# Altium PCB controller_V1.1.PcbDoc (part 5 of 7) (continued)
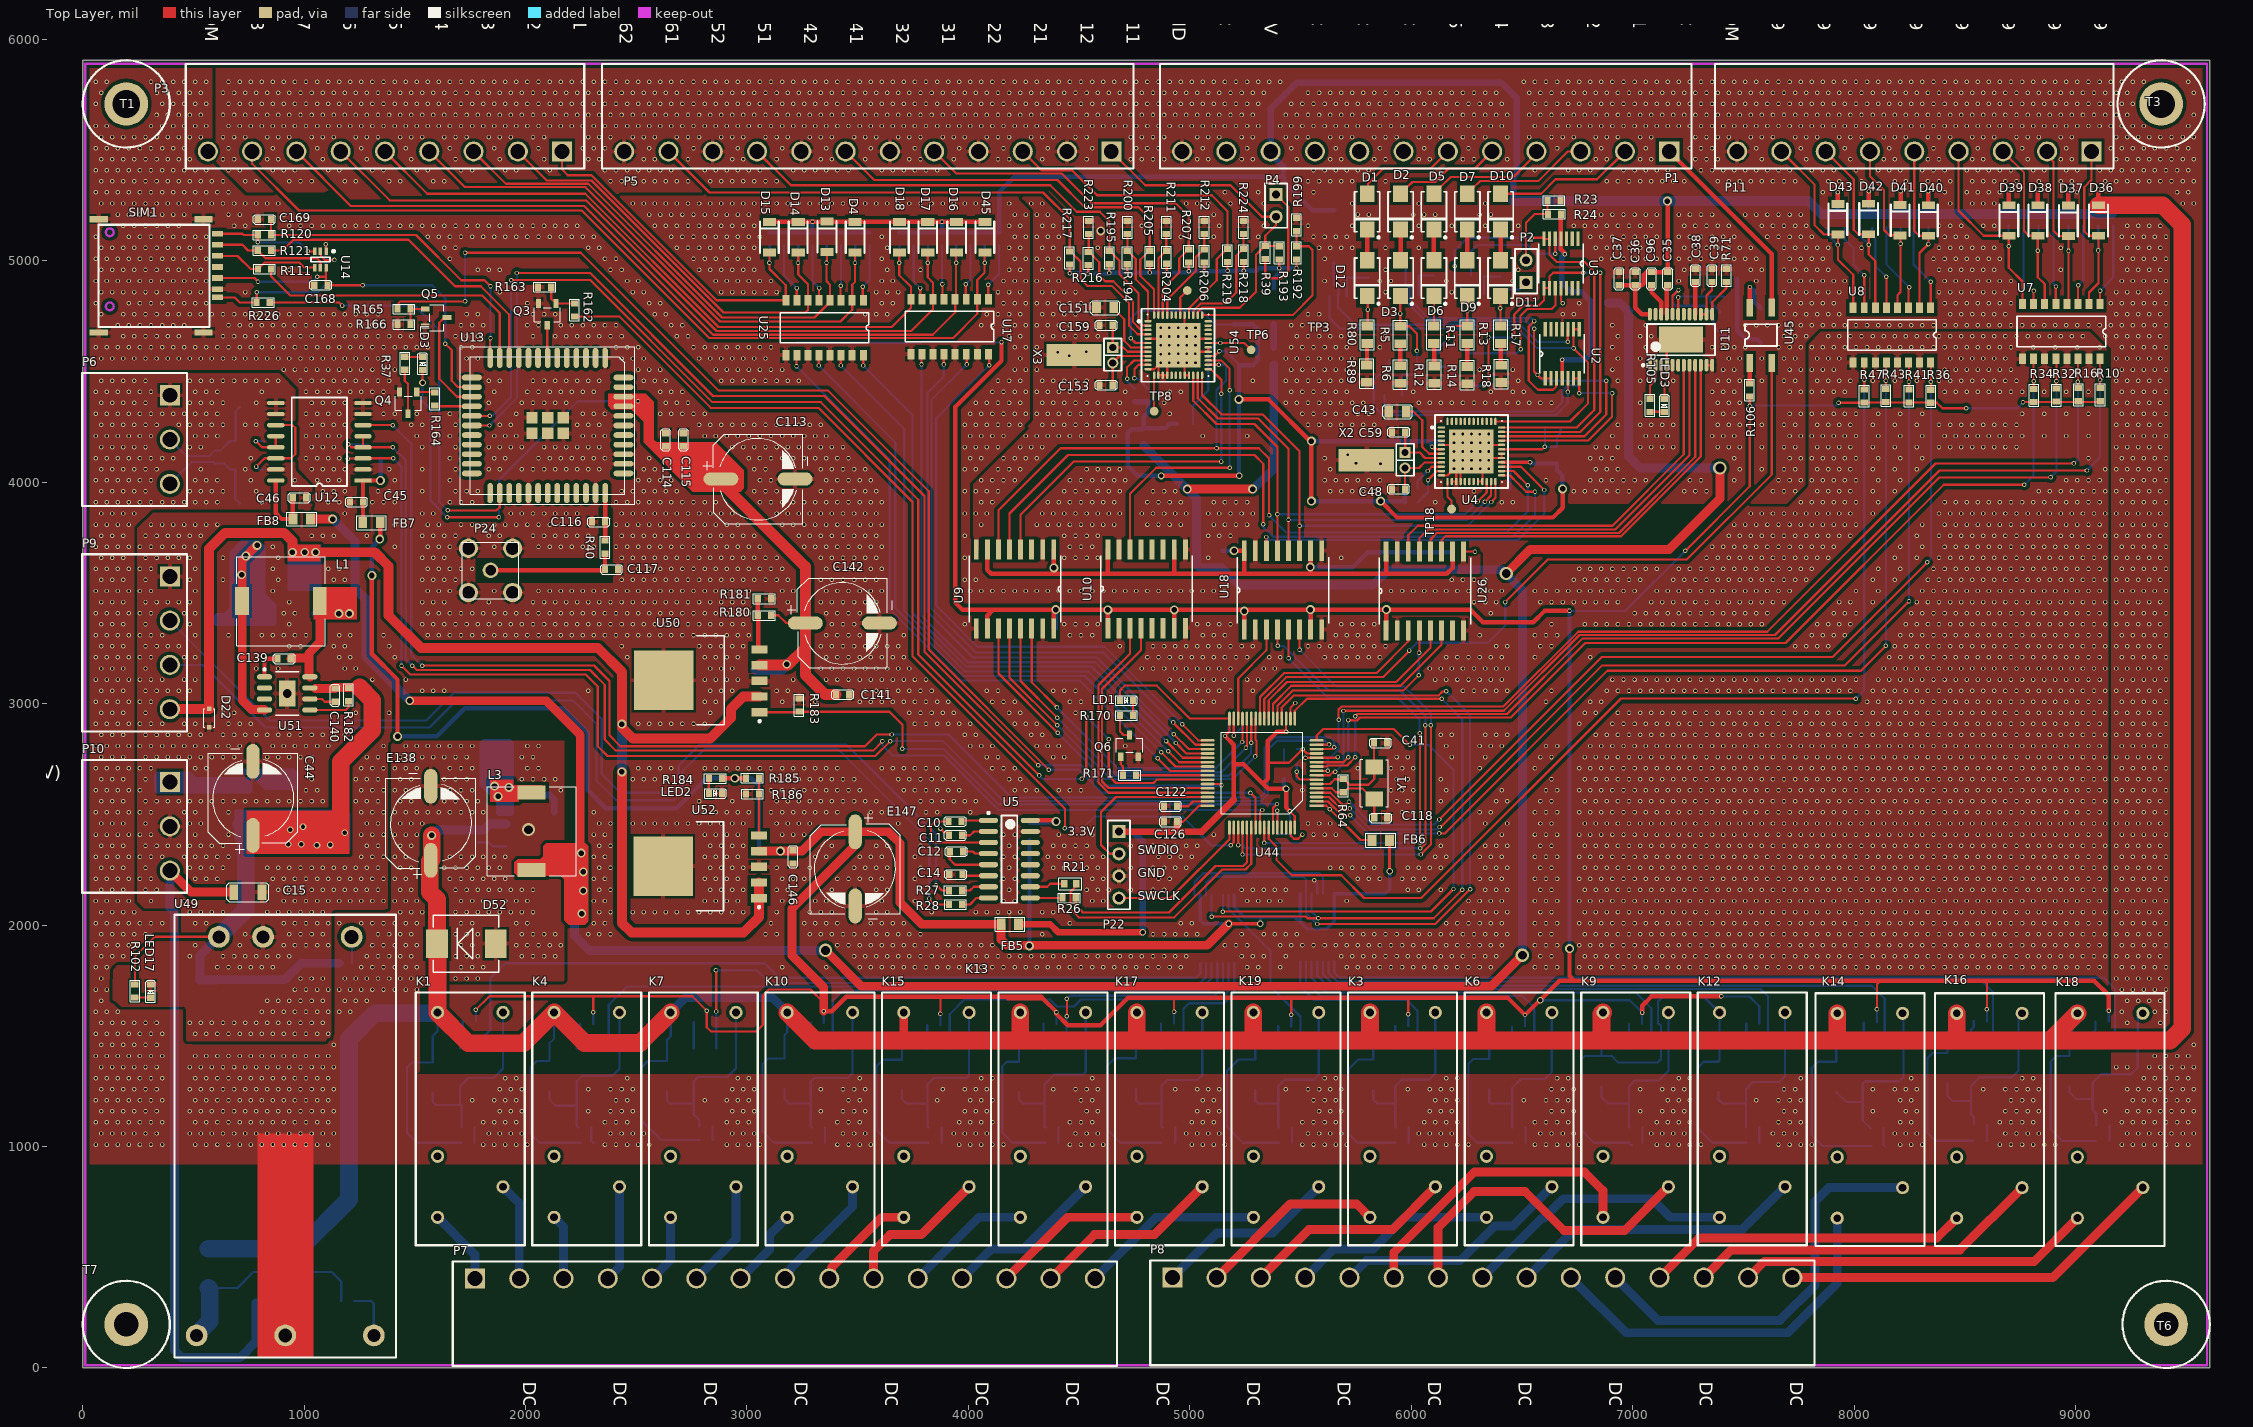
[diagram p0: Top Layer view]
## Nets (pads, with @x,y where several pads share a name; then routed paths per layer and width w, separated by ;. In a path a pad name is that pad's centre, name@x,y a point inside that pad or via, vN(x,y) a via of type N, cw(c..) or ccw(c..) an arc to the next point about the centre after c; other vN are vias at no path point) (continued)
6858.75,2609 6908.75,2609 6958.75,2609 7008.75,2609 7058.75,2609 7108.75,2609 7158.75,2609 7208.75,2609 7258.75,2609 7308.75,2609 7358.75,2609 7408.75,2609 7458.75,2609 7508.75,2609 7558.75,2609 7608.75,2609 7658.75,2609 7708.75,2609 7758.75,2609 7808.75,2609 7858.75,2609 7908.75,2609 7958.75,2609 8008.75,2609 8058.75,2609 8108.75,2609 8158.75,2609 8208.75,2609 8258.75,2609 8308.75,2609 8358.75,2609 8408.75,2609 8458.75,2609 8508.75,2609 8558.75,2609 8608.75,2609 8658.75,2609 8708.75,2609 8758.75,2609 8808.75,2609 8858.75,2609 8908.75,2609 8958.75,2609 9008.75,2609 9058.75,2609 9108.75,2609 283.75,2659 1033.75,2659 1233.75,2659 1283.75,2659 1333.75,2659 2483.75,2659 2533.75,2659 2583.75,2659 2633.75,2659 3133.75,2659 3183.75,2659 3233.75,2659 3283.75,2659 3333.75,2659 3383.75,2659 3433.75,2659 3483.75,2659 3683.75,2659 3733.75,2659 3783.75,2659 3833.75,2659 3883.75,2659 3933.75,2659 4183.75,2659 4233.75,2659 5933.75,2659 5983.75,2659 6133.75,2659 6633.75,2659 6783.75,2659 6833.75,2659 6883.75,2659 6933.75,2659 6983.75,2659 7033.75,2659 7083.75,2659 7133.75,2659 7183.75,2659 7233.75,2659 7283.75,2659 7333.75,2659 7383.75,2659 7433.75,2659 7483.75,2659 7533.75,2659 7583.75,2659 7633.75,2659 7683.75,2659 7733.75,2659 7783.75,2659 7833.75,2659 7883.75,2659 7933.75,2659 7983.75,2659 8033.75,2659 8083.75,2659 8133.75,2659 8183.75,2659 8233.75,2659 8283.75,2659 8333.75,2659 8383.75,2659 8433.75,2659 8483.75,2659 8533.75,2659 8583.75,2659 8633.75,2659 8683.75,2659 8733.75,2659 8783.75,2659 8833.75,2659 8883.75,2659 8933.75,2659 8983.75,2659 9033.75,2659 9083.75,2659 9133.75,2659 258.75,2709 308.75,2709 508.75,2709 558.75,2709 1008.75,2709 1258.75,2709 1308.75,2709 1358.75,2709 2508.75,2709 2558.75,2709 2608.75,2709 2658.75,2709 2808.75,2709 2858.75,2709 2908.75,2709 2958.75,2709 3008.75,2709 3058.75,2709 3108.75,2709 3158.75,2709 3208.75,2709 3258.75,2709 3308.75,2709 3358.75,2709 3408.75,2709 3608.75,2709 3658.75,2709 3708.75,2709 3758.75,2709 3808.75,2709 3858.75,2709 4108.75,2709 4158.75,2709 4208.75,2709 5758.75,2709 5908.75,2709 5958.75,2709 6008.75,2709 6308.75,2709 6558.75,2709 6758.75,2709 6808.75,2709 6858.75,2709 6908.75,2709 6958.75,2709 7008.75,2709 7058.75,2709 7108.75,2709 7158.75,2709 7208.75,2709 7258.75,2709 7308.75,2709 7358.75,2709 7408.75,2709 7458.75,2709 7508.75,2709 7558.75,2709 7608.75,2709 7658.75,2709 7708.75,2709 7758.75,2709 7808.75,2709 7858.75,2709 7908.75,2709 7958.75,2709 8008.75,2709 8058.75,2709 8108.75,2709 8158.75,2709 8208.75,2709 8258.75,2709 8308.75,2709 8358.75,2709 8408.75,2709 8458.75,2709 8508.75,2709 8558.75,2709 8608.75,2709 8658.75,2709 8708.75,2709 8758.75,2709 8808.75,2709 8858.75,2709 8908.75,2709 8958.75,2709 9008.75,2709 9058.75,2709 9108.75,2709 283.75,2759 333.75,2759 383.75,2759 433.75,2759 483.75,2759 533.75,2759 583.75,2759 633.75,2759 683.75,2759 833.75,2759 883.75,2759 933.75,2759 983.75,2759 1033.75,2759 1283.75,2759 1333.75,2759 4083.75,2759 4133.75,2759 4383.75,2759 4433.75,2759 5933.75,2759 5983.75,2759 6183.75,2759 6333.75,2759 6583.75,2759 6633.75,2759 6783.75,2759 6833.75,2759 6883.75,2759 6933.75,2759 6983.75,2759 7033.75,2759 7083.75,2759 7133.75,2759 7183.75,2759 7233.75,2759 7283.75,2759 7333.75,2759 7383.75,2759 7433.75,2759 7483.75,2759 7533.75,2759 7583.75,2759 7633.75,2759 7683.75,2759 7733.75,2759 7783.75,2759 7833.75,2759 7883.75,2759 7933.75,2759 7983.75,2759 8033.75,2759 8083.75,2759 8133.75,2759 8183.75,2759 8233.75,2759 8283.75,2759 8333.75,2759 8383.75,2759 8433.75,2759 8483.75,2759 8533.75,2759 8583.75,2759 8633.75,2759 8683.75,2759 8733.75,2759 8783.75,2759 8833.75,2759 8883.75,2759 8933.75,2759 8983.75,2759 9033.75,2759 9083.75,2759 9133.75,2759 258.75,2809 308.75,2809 358.75,2809 408.75,2809 458.75,2809 508.75,2809 558.75,2809 608.75,2809 658.75,2809 708.75,2809 858.75,2809 908.75,2809 958.75,2809 1008.75,2809 1058.75,2809 1108.75,2809 1358.75,2809 4008.75,2809 4058.75,2809 4108.75,2809 4308.75,2809 4358.75,2809 4408.75,2809 4708.75,2809 6158.75,2809 6308.75,2809 6358.75,2809 6408.75,2809 6608.75,2809 6658.75,2809 6808.75,2809 6858.75,2809 6908.75,2809 6958.75,2809 7008.75,2809 7058.75,2809 7108.75,2809 7158.75,2809 7208.75,2809 7258.75,2809 7308.75,2809 7358.75,2809 7408.75,2809 7458.75,2809 7508.75,2809 7558.75,2809 7608.75,2809 7658.75,2809 7708.75,2809 7758.75,2809 7808.75,2809 7858.75,2809 7908.75,2809 7958.75,2809 8008.75,2809 8058.75,2809 8108.75,2809 8158.75,2809 8208.75,2809 8258.75,2809 8308.75,2809 8358.75,2809 8408.75,2809 8458.75,2809 8508.75,2809 8558.75,2809 8608.75,2809 8658.75,2809 8708.75,2809 8758.75,2809 8808.75,2809 8858.75,2809 8908.75,2809 8958.75,2809 9008.75,2809 9058.75,2809 9108.75,2809 283.75,2859 333.75,2859 383.75,2859 433.75,2859 483.75,2859 533.75,2859 633.75,2859 683.75,2859 733.75,2859 783.75,2859 833.75,2859 883.75,2859 933.75,2859 983.75,2859 1033.75,2859 1083.75,2859 1133.75,2859 1183.75,2859 3983.75,2859 4033.75,2859 4283.75,2859 4333.75,2859 6133.75,2859 6183.75,2859 6333.75,2859 6383.75,2859 6433.75,2859 6833.75,2859 6883.75,2859 6933.75,2859 6983.75,2859 7033.75,2859 7083.75,2859 7133.75,2859 7183.75,2859 7233.75,2859 7283.75,2859 7333.75,2859 7383.75,2859 7433.75,2859 7483.75,2859 7533.75,2859 7583.75,2859 7633.75,2859 7683.75,2859 7733.75,2859 7783.75,2859 7833.75,2859 7883.75,2859 7933.75,2859 7983.75,2859 8033.75,2859 8083.75,2859 8133.75,2859 8183.75,2859 8233.75,2859 8283.75,2859 8333.75,2859 8383.75,2859 8433.75,2859 8483.75,2859 8533.75,2859 8583.75,2859 8633.75,2859 8683.75,2859 8733.75,2859 8783.75,2859 8833.75,2859 8883.75,2859 8933.75,2859 8983.75,2859 9033.75,2859 9083.75,2859 9133.75,2859 258.75,2909 308.75,2909 358.75,2909 458.75,2909 508.75,2909 658.75,2909 708.75,2909 758.75,2909 2508.75,2909 2558.75,2909 2608.75,2909 2658.75,2909 2708.75,2909 2758.75,2909 2808.75,2909 3758.75,2909 3808.75,2909 3858.75,2909 3908.75,2909 3958.75,2909 4008.75,2909 4208.75,2909 4258.75,2909 4308.75,2909 6758.75,2909 6908.75,2909 6958.75,2909 7008.75,2909 7058.75,2909 7108.75,2909 7158.75,2909 7208.75,2909 7258.75,2909 7308.75,2909 7358.75,2909 7408.75,2909 7458.75,2909 7508.75,2909 7558.75,2909 7608.75,2909 7658.75,2909 7708.75,2909 7758.75,2909 7808.75,2909 7858.75,2909 7908.75,2909 7958.75,2909 8008.75,2909 8058.75,2909 8108.75,2909 8158.75,2909 8208.75,2909 8258.75,2909 8308.75,2909 8358.75,2909 8408.75,2909 8458.75,2909 8508.75,2909 8558.75,2909 8608.75,2909 8658.75,2909 8708.75,2909 8758.75,2909 8808.75,2909 8858.75,2909 8908.75,2909 8958.75,2909 9008.75,2909 9058.75,2909 9108.75,2909 283.75,2959 633.75,2959 683.75,2959 1233.75,2959 1383.75,2959 2833.75,2959 3733.75,2959 3783.75,2959 3833.75,2959 3883.75,2959 3933.75,2959 4183.75,2959 4233.75,2959 4483.75,2959 6783.75,2959 6833.75,2959 6933.75,2959 6983.75,2959 7033.75,2959 7083.75,2959 7133.75,2959 7183.75,2959 7233.75,2959 7283.75,2959 7333.75,2959 7383.75,2959 7433.75,2959 7483.75,2959 7533.75,2959 7583.75,2959 7633.75,2959 7683.75,2959 7733.75,2959 7783.75,2959 7833.75,2959 7883.75,2959 7933.75,2959 7983.75,2959 8033.75,2959 8083.75,2959 8133.75,2959 8183.75,2959 8233.75,2959 8283.75,2959 8333.75,2959 8383.75,2959 8433.75,2959 8483.75,2959 8533.75,2959 8583.75,2959 8633.75,2959 8683.75,2959 8733.75,2959 8783.75,2959 8833.75,2959 8883.75,2959 8933.75,2959 8983.75,2959 9033.75,2959 9083.75,2959 9133.75,2959 258.75,3009 308.75,3009 658.75,3009 2808.75,3009 2858.75,3009 3158.75,3009 3308.75,3009 3508.75,3009 3558.75,3009 3608.75,3009 3658.75,3009 3708.75,3009 3758.75,3009 3808.75,3009 3858.75,3009 3908.75,3009 4108.75,3009 4158.75,3009 4208.75,3009 4458.75,3009 4508.75,3009 5008.75,3009 5058.75,3009 5108.75,3009 6608.75,3009 6808.75,3009 6858.75,3009 8058.75,3009 8108.75,3009 8158.75,3009 8208.75,3009 8258.75,3009 8308.75,3009 8358.75,3009 8408.75,3009 8458.75,3009 8508.75,3009 8558.75,3009 8608.75,3009 8658.75,3009 8708.75,3009 8758.75,3009 8808.75,3009 8858.75,3009 8908.75,3009 8958.75,3009 9008.75,3009 9058.75,3009 9108.75,3009 283.75,3059 333.75,3059 383.75,3059 433.75,3059 483.75,3059 1533.75,3059 1583.75,3059 1633.75,3059 2283.75,3059 2833.75,3059 2883.75,3059 2933.75,3059 3133.75,3059 3183.75,3059 3533.75,3059 3583.75,3059 3633.75,3059 3683.75,3059 3733.75,3059 3783.75,3059 3833.75,3059 4083.75,3059 4133.75,3059 4383.75,3059 4433.75,3059 4483.75,3059 4933.75,3059 4983.75,3059 5033.75,3059 5083.75,3059 5133.75,3059 5183.75,3059 5283.75,3059 6233.75,3059 6283.75,3059 6333.75,3059 6383.75,3059 6433.75,3059 6633.75,3059 6883.75,3059 6933.75,3059 6983.75,3059 7033.75,3059 7083.75,3059 7133.75,3059 7183.75,3059 7233.75,3059 7283.75,3059 7333.75,3059 7383.75,3059 7433.75,3059 7483.75,3059 7533.75,3059 7583.75,3059 7633.75,3059 7683.75,3059 7733.75,3059 7783.75,3059 7833.75,3059 7883.75,3059 7933.75,3059 7983.75,3059 8083.75,3059 8133.75,3059 8183.75,3059 8233.75,3059 8283.75,3059 8333.75,3059 8383.75,3059 8433.75,3059 8483.75,3059 8533.75,3059 8583.75,3059 8633.75,3059 8683.75,3059 8733.75,3059 8783.75,3059 8833.75,3059 8883.75,3059 8933.75,3059 8983.75,3059 9033.75,3059 9083.75,3059 9133.75,3059 258.75,3109 308.75,3109 358.75,3109 458.75,3109 508.75,3109 1308.75,3109 1458.75,3109 2808.75,3109 2858.75,3109 2908.75,3109 2958.75,3109 3208.75,3109 3358.75,3109 3408.75,3109 3458.75,3109 3508.75,3109 3558.75,3109 3608.75,3109 3658.75,3109 3708.75,3109 3758.75,3109 3808.75,3109 4908.75,3109 4958.75,3109 5008.75,3109 5058.75,3109 5108.75,3109 5158.75,3109 5258.75,3109 5308.75,3109 6108.75,3109 6158.75,3109 6208.75,3109 6258.75,3109 6308.75,3109 6358.75,3109 6408.75,3109 6908.75,3109 6958.75,3109 7008.75,3109 7058.75,3109 7108.75,3109 7158.75,3109 7208.75,3109 7258.75,3109 7308.75,3109 7358.75,3109 7408.75,3109 7458.75,3109 7508.75,3109 7558.75,3109 7608.75,3109 7658.75,3109 7708.75,3109 7758.75,3109 7808.75,3109 7858.75,3109 7908.75,3109 7958.75,3109 8008.75,3109 8108.75,3109 8158.75,3109 8208.75,3109 8258.75,3109 8308.75,3109 8358.75,3109 8408.75,3109 8458.75,3109 8508.75,3109 8558.75,3109 8608.75,3109 8658.75,3109 8708.75,3109 8758.75,3109 8808.75,3109 8858.75,3109 8908.75,3109 8958.75,3109 9008.75,3109 9058.75,3109 9108.75,3109 283.75,3159 783.75,3159 883.75,3159 1183.75,3159 1233.75,3159 2833.75,3159 2883.75,3159 2933.75,3159 3333.75,3159 3383.75,3159 3433.75,3159 3483.75,3159 3533.75,3159 3583.75,3159 3633.75,3159 3683.75,3159 3733.75,3159 4783.75,3159 4833.75,3159 4883.75,3159 4933.75,3159 4983.75,3159 5033.75,3159 5083.75,3159 5133.75,3159 5183.75,3159 5333.75,3159 5383.75,3159 6083.75,3159 6133.75,3159 6183.75,3159 6233.75,3159 6283.75,3159 6333.75,3159 6383.75,3159 6433.75,3159 8133.75,3159 8183.75,3159 8233.75,3159 8283.75,3159 8333.75,3159 8383.75,3159 8433.75,3159 8483.75,3159 8533.75,3159 8583.75,3159 8633.75,3159 8683.75,3159 8733.75,3159 8783.75,3159 8833.75,3159 8883.75,3159 8933.75,3159 8983.75,3159 9033.75,3159 9083.75,3159 9133.75,3159 258.75,3209 308.75,3209 458.75,3209 508.75,3209 1158.75,3209 1208.75,3209 1408.75,3209 2458.75,3209 2808.75,3209 2858.75,3209 2908.75,3209 2958.75,3209 3358.75,3209 3408.75,3209 3458.75,3209 3508.75,3209 3558.75,3209 3608.75,3209 3658.75,3209 3708.75,3209 4808.75,3209 4858.75,3209 4908.75,3209 4958.75,3209 5008.75,3209 5058.75,3209 5108.75,3209 5158.75,3209 5208.75,3209 5258.75,3209 5358.75,3209 5408.75,3209 5608.75,3209 5658.75,3209 5708.75,3209 5758.75,3209 5808.75,3209 5858.75,3209 6158.75,3209 6208.75,3209 6258.75,3209 6308.75,3209 6358.75,3209 6408.75,3209 6558.75,3209 6808.75,3209 8158.75,3209 8208.75,3209 8258.75,3209 8308.75,3209 8358.75,3209 8408.75,3209 8458.75,3209 8508.75,3209 8558.75,3209 8608.75,3209 8658.75,3209 8708.75,3209 8758.75,3209 8808.75,3209 8858.75,3209 8908.75,3209 8958.75,3209 9008.75,3209 9058.75,3209 9108.75,3209 283.75,3259 333.75,3259 383.75,3259 433.75,3259 933.75,3259 983.75,3259 1133.75,3259 1183.75,3259 1383.75,3259 2433.75,3259 2783.75,3259 2833.75,3259 2883.75,3259 2933.75,3259 2983.75,3259 3333.75,3259 3383.75,3259 3433.75,3259 3483.75,3259 3533.75,3259 3583.75,3259 3633.75,3259 3683.75,3259 4683.75,3259 4833.75,3259 4883.75,3259 4933.75,3259 4983.75,3259 5033.75,3259 5083.75,3259 5133.75,3259 5183.75,3259 5233.75,3259 5283.75,3259 5533.75,3259 5583.75,3259 5633.75,3259 5683.75,3259 5733.75,3259 5783.75,3259 5833.75,3259 5883.75,3259 6383.75,3259 6433.75,3259 6583.75,3259 6633.75,3259 7733.75,3259 7783.75,3259 7833.75,3259 7883.75,3259 8183.75,3259 8233.75,3259 8283.75,3259 8333.75,3259 8383.75,3259 8433.75,3259 8483.75,3259 8533.75,3259 8583.75,3259 8633.75,3259 8683.75,3259 8733.75,3259 8783.75,3259 8833.75,3259 8883.75,3259 8933.75,3259 8983.75,3259 9033.75,3259 9083.75,3259 9133.75,3259 258.75,3309 308.75,3309 358.75,3309 508.75,3309 658.75,3309 808.75,3309 858.75,3309 908.75,3309 958.75,3309 1008.75,3309 1158.75,3309 1208.75,3309 1358.75,3309 1558.75,3309 1608.75,3309 1658.75,3309 1708.75,3309 1758.75,3309 1808.75,3309 1858.75,3309 1908.75,3309 1958.75,3309 2008.75,3309 2058.75,3309 2108.75,3309 2158.75,3309 2208.75,3309 2258.75,3309 2308.75,3309 2358.75,3309 2408.75,3309 2458.75,3309 2508.75,3309 2558.75,3309 2608.75,3309 2658.75,3309 2708.75,3309 2758.75,3309 2808.75,3309 2858.75,3309 2908.75,3309 2958.75,3309 3008.75,3309 3358.75,3309 3408.75,3309 3458.75,3309 3508.75,3309 3708.75,3309 4458.75,3309 4508.75,3309 4558.75,3309 5058.75,3309 5108.75,3309 5158.75,3309 5658.75,3309 5708.75,3309 5758.75,3309 5808.75,3309 6308.75,3309 6558.75,3309 6608.75,3309 6658.75,3309 7808.75,3309 7858.75,3309 7908.75,3309 7958.75,3309 8208.75,3309 8258.75,3309 8308.75,3309 8358.75,3309 8408.75,3309 8458.75,3309 8508.75,3309 8558.75,3309 8608.75,3309 8658.75,3309 8708.75,3309 8758.75,3309 8808.75,3309 8858.75,3309 8908.75,3309 8958.75,3309 9008.75,3309 9058.75,3309 9108.75,3309 283.75,3359 483.75,3359 933.75,3359 1533.75,3359 1583.75,3359 1633.75,3359 1683.75,3359 1733.75,3359 1783.75,3359 1833.75,3359 1883.75,3359 1933.75,3359 1983.75,3359 2033.75,3359 2083.75,3359 2133.75,3359 2183.75,3359 2233.75,3359 2283.75,3359 2333.75,3359 2383.75,3359 2433.75,3359 2483.75,3359 2533.75,3359 2583.75,3359 2633.75,3359 2683.75,3359 2733.75,3359 2783.75,3359 2833.75,3359 2883.75,3359 2933.75,3359 2983.75,3359 3383.75,3359 3433.75,3359 3483.75,3359 3983.75,3359 4433.75,3359 4483.75,3359 4533.75,3359 4583.75,3359 5033.75,3359 5083.75,3359 5133.75,3359 5183.75,3359 5683.75,3359 5733.75,3359 5783.75,3359 5833.75,3359 6633.75,3359 6783.75,3359 6833.75,3359 6883.75,3359 6933.75,3359 6983.75,3359 7033.75,3359 7083.75,3359 7133.75,3359 7183.75,3359 7233.75,3359 7283.75,3359 7333.75,3359 7383.75,3359 7433.75,3359 7483.75,3359 7533.75,3359 7583.75,3359 7833.75,3359 7883.75,3359 7933.75,3359 7983.75,3359 8233.75,3359 8283.75,3359 8333.75,3359 8383.75,3359 8433.75,3359 8483.75,3359 8533.75,3359 8583.75,3359 8633.75,3359 8683.75,3359 8733.75,3359 8783.75,3359 8833.75,3359 8883.75,3359 8933.75,3359 8983.75,3359 9033.75,3359 9083.75,3359 9133.75,3359 258.75,3409 308.75,3409 458.75,3409 508.75,3409 908.75,3409 958.75,3409 1558.75,3409 1608.75,3409 1658.75,3409 1708.75,3409 1758.75,3409 1808.75,3409 1858.75,3409 1908.75,3409 1958.75,3409 2008.75,3409 2058.75,3409 2108.75,3409 2158.75,3409 2208.75,3409 2258.75,3409 2308.75,3409 2358.75,3409 2408.75,3409 2458.75,3409 2508.75,3409 2558.75,3409 2608.75,3409 2658.75,3409 2708.75,3409 2758.75,3409 2808.75,3409 2858.75,3409 2908.75,3409 2958.75,3409 3008.75,3409 3358.75,3409 3408.75,3409 3458.75,3409 3508.75,3409 6358.75,3409 7008.75,3409 7058.75,3409 7108.75,3409 7158.75,3409 7208.75,3409 7258.75,3409 7308.75,3409 7358.75,3409 7408.75,3409 7458.75,3409 7508.75,3409 7558.75,3409 7608.75,3409 7908.75,3409 7958.75,3409 8008.75,3409 8258.75,3409 8308.75,3409 8358.75,3409 8408.75,3409 8458.75,3409 8508.75,3409 8558.75,3409 8608.75,3409 8658.75,3409 8708.75,3409 8758.75,3409 8808.75,3409 8858.75,3409 8908.75,3409 8958.75,3409 9008.75,3409 9058.75,3409 9108.75,3409 283.75,3459 333.75,3459 383.75,3459 433.75,3459 483.75,3459 933.75,3459 1533.75,3459 1583.75,3459 1633.75,3459 1833.75,3459 2033.75,3459 2083.75,3459 2133.75,3459 2183.75,3459 2233.75,3459 2283.75,3459 2333.75,3459 2383.75,3459 2433.75,3459 2483.75,3459 2533.75,3459 2583.75,3459 2633.75,3459 2683.75,3459 2733.75,3459 2783.75,3459 2833.75,3459 2883.75,3459 2933.75,3459 2983.75,3459 3183.75,3459 3333.75,3459 3383.75,3459 3433.75,3459 3483.75,3459 3533.75,3459 3583.75,3459 6283.75,3459 6333.75,3459 6383.75,3459 6583.75,3459 6633.75,3459 6683.75,3459 6733.75,3459 6783.75,3459 6833.75,3459 6883.75,3459 6933.75,3459 7083.75,3459 7133.75,3459 7183.75,3459 7233.75,3459 7283.75,3459 7333.75,3459 7383.75,3459 7433.75,3459 7483.75,3459 7533.75,3459 7583.75,3459 7633.75,3459 7683.75,3459 7933.75,3459 7983.75,3459 8083.75,3459 8283.75,3459 8333.75,3459 8383.75,3459 8433.75,3459 8483.75,3459 8533.75,3459 8583.75,3459 8633.75,3459 8683.75,3459 8733.75,3459 8783.75,3459 8833.75,3459 8883.75,3459 8933.75,3459 8983.75,3459 9033.75,3459 9083.75,3459 9133.75,3459 258.75,3509 308.75,3509 508.75,3509 858.75,3509 1558.75,3509 1608.75,3509 1658.75,3509 1858.75,3509 2058.75,3509 2108.75,3509 2158.75,3509 2208.75,3509 2258.75,3509 2308.75,3509 2358.75,3509 2408.75,3509 2458.75,3509 2508.75,3509 2558.75,3509 2608.75,3509 2658.75,3509 2708.75,3509 2758.75,3509 2808.75,3509 2858.75,3509 2908.75,3509 2958.75,3509 3008.75,3509 3158.75,3509 3208.75,3509 3358.75,3509 3408.75,3509 3458.75,3509 3508.75,3509 3558.75,3509 3608.75,3509 4008.75,3509 4058.75,3509 4108.75,3509 4158.75,3509 4208.75,3509 4258.75,3509 4308.75,3509 4358.75,3509 4408.75,3509 4458.75,3509 4508.75,3509 4558.75,3509 4608.75,3509 4658.75,3509 4708.75,3509 4758.75,3509 4808.75,3509 4858.75,3509 4908.75,3509 4958.75,3509 5008.75,3509 5058.75,3509 5108.75,3509 5158.75,3509 5908.75,3509 5958.75,3509 6008.75,3509 6058.75,3509 6108.75,3509 6158.75,3509 6208.75,3509 6258.75,3509 6308.75,3509 6358.75,3509 6408.75,3509 6558.75,3509 6608.75,3509 6658.75,3509 6708.75,3509 6758.75,3509 6808.75,3509 6858.75,3509 6908.75,3509 6958.75,3509 7008.75,3509 7108.75,3509 7158.75,3509 7208.75,3509 7258.75,3509 7308.75,3509 7358.75,3509 7408.75,3509 7458.75,3509 7508.75,3509 7558.75,3509 7608.75,3509 7658.75,3509 7708.75,3509 8008.75,3509 8108.75,3509 8308.75,3509 8358.75,3509 8408.75,3509 8458.75,3509 8508.75,3509 8558.75,3509 8608.75,3509 8658.75,3509 8708.75,3509 8758.75,3509 8808.75,3509 8858.75,3509 8908.75,3509 8958.75,3509 9008.75,3509 9058.75,3509 9108.75,3509 283.75,3559 483.75,3559 633.75,3559 883.75,3559 1133.75,3559 1183.75,3559 1533.75,3559 1583.75,3559 1633.75,3559 1683.75,3559 2433.75,3559 2483.75,3559 2533.75,3559 2583.75,3559 2633.75,3559 2683.75,3559 2733.75,3559 2783.75,3559 2833.75,3559 2883.75,3559 2933.75,3559 2983.75,3559 3033.75,3559 3083.75,3559 3133.75,3559 3183.75,3559 3333.75,3559 3383.75,3559 3433.75,3559 3483.75,3559 3533.75,3559 3583.75,3559 3983.75,3559 4033.75,3559 6183.75,3559 6233.75,3559 6283.75,3559 6333.75,3559 6733.75,3559 6783.75,3559 6833.75,3559 6883.75,3559 6933.75,3559 6983.75,3559 7033.75,3559 7183.75,3559 7233.75,3559 7283.75,3559 7333.75,3559 7383.75,3559 7433.75,3559 7483.75,3559 7533.75,3559 7583.75,3559 7633.75,3559 7683.75,3559 7733.75,3559 7783.75,3559 8083.75,3559 8183.75,3559 8333.75,3559 8383.75,3559 8433.75,3559 8483.75,3559 8533.75,3559 8583.75,3559 8633.75,3559 8683.75,3559 8733.75,3559 8783.75,3559 8833.75,3559 8883.75,3559 8933.75,3559 8983.75,3559 9033.75,3559 9083.75,3559 9133.75,3559 258.75,3609 308.75,3609 508.75,3609 858.75,3609 1108.75,3609 1158.75,3609 1558.75,3609 1608.75,3609 1658.75,3609 1708.75,3609 1758.75,3609 2508.75,3609 2558.75,3609 2608.75,3609 2658.75,3609 2708.75,3609 2758.75,3609 2808.75,3609 2858.75,3609 2908.75,3609 2958.75,3609 3008.75,3609 3058.75,3609 3108.75,3609 3158.75,3609 3358.75,3609 3408.75,3609 3458.75,3609 3508.75,3609 3558.75,3609 3608.75,3609 6758.75,3609 6808.75,3609 6858.75,3609 6908.75,3609 6958.75,3609 7008.75,3609 7058.75,3609 7108.75,3609 7208.75,3609 7258.75,3609 7308.75,3609 7358.75,3609 7408.75,3609 7458.75,3609 7508.75,3609 7558.75,3609 7608.75,3609 7658.75,3609 7708.75,3609 7758.75,3609 7808.75,3609 8108.75,3609 8208.75,3609 8358.75,3609 8408.75,3609 8458.75,3609 8508.75,3609 8558.75,3609 8608.75,3609 8658.75,3609 8708.75,3609 8758.75,3609 8808.75,3609 8858.75,3609 8908.75,3609 8958.75,3609 9008.75,3609 9058.75,3609 9108.75,3609 283.75,3659 333.75,3659 383.75,3659 433.75,3659 483.75,3659 633.75,3659 883.75,3659 1533.75,3659 1583.75,3659 1633.75,3659 2433.75,3659 2483.75,3659 2533.75,3659 2583.75,3659 2633.75,3659 2683.75,3659 2733.75,3659 2783.75,3659 2833.75,3659 2883.75,3659 2933.75,3659 2983.75,3659 3033.75,3659 3083.75,3659 3133.75,3659 3333.75,3659 3383.75,3659 3433.75,3659 3483.75,3659 3533.75,3659 3583.75,3659 3983.75,3659 7333.75,3659 7383.75,3659 7433.75,3659 7483.75,3659 7533.75,3659 7583.75,3659 7633.75,3659 7683.75,3659 7733.75,3659 7783.75,3659 7833.75,3659 7883.75,3659 8183.75,3659 8283.75,3659 8383.75,3659 8433.75,3659 8483.75,3659 8533.75,3659 8583.75,3659 8633.75,3659 8683.75,3659 8733.75,3659 8783.75,3659 8833.75,3659 8883.75,3659 8933.75,3659 8983.75,3659 9033.75,3659 9083.75,3659 9133.75,3659 258.75,3709 308.75,3709 358.75,3709 408.75,3709 458.75,3709 508.75,3709 858.75,3709 1408.75,3709 1558.75,3709 1608.75,3709 1658.75,3709 1858.75,3709 2058.75,3709 2108.75,3709 2158.75,3709 2208.75,3709 2258.75,3709 2308.75,3709 2408.75,3709 2458.75,3709 2508.75,3709 2558.75,3709 2608.75,3709 2658.75,3709 2708.75,3709 2758.75,3709 2808.75,3709 2858.75,3709 2908.75,3709 2958.75,3709 3008.75,3709 3058.75,3709 3258.75,3709 3308.75,3709 3358.75,3709 3408.75,3709 3458.75,3709 3508.75,3709 3558.75,3709 3608.75,3709 7358.75,3709 7408.75,3709 7458.75,3709 7508.75,3709 7558.75,3709 7608.75,3709 7658.75,3709 7708.75,3709 7758.75,3709 7808.75,3709 7858.75,3709 7908.75,3709 8208.75,3709 8308.75,3709 8408.75,3709 8458.75,3709 8508.75,3709 8558.75,3709 8608.75,3709 8658.75,3709 8708.75,3709 8758.75,3709 8808.75,3709 8858.75,3709 8908.75,3709 8958.75,3709 9008.75,3709 9058.75,3709 9108.75,3709 283.75,3759 333.75,3759 383.75,3759 433.75,3759 483.75,3759 533.75,3759 1033.75,3759 1083.75,3759 1133.75,3759 1283.75,3759 1533.75,3759 1583.75,3759 1633.75,3759 1683.75,3759 1833.75,3759 1883.75,3759 2033.75,3759 2083.75,3759 2133.75,3759 2183.75,3759 2233.75,3759 2283.75,3759 2433.75,3759 2483.75,3759 2533.75,3759 2583.75,3759 2633.75,3759 2683.75,3759 2733.75,3759 2783.75,3759 2833.75,3759 2883.75,3759 2933.75,3759 2983.75,3759 3033.75,3759 3233.75,3759 3283.75,3759 3333.75,3759 3383.75,3759 3433.75,3759 3483.75,3759 3533.75,3759 3583.75,3759 3983.75,3759 7433.75,3759 7483.75,3759 7533.75,3759 7583.75,3759 7633.75,3759 7683.75,3759 7733.75,3759 7783.75,3759 7833.75,3759 7883.75,3759 7933.75,3759 7983.75,3759 8283.75,3759 8383.75,3759 8433.75,3759 8483.75,3759 8533.75,3759 8583.75,3759 8633.75,3759 8683.75,3759 8733.75,3759 8783.75,3759 8833.75,3759 8883.75,3759 8933.75,3759 8983.75,3759 9033.75,3759 9083.75,3759 9133.75,3759 308.75,3809 358.75,3809 408.75,3809 458.75,3809 508.75,3809 558.75,3809 608.75,3809 1408.75,3809 1558.75,3809 1608.75,3809 1708.75,3809 1758.75,3809 1808.75,3809 1858.75,3809 1908.75,3809 1958.75,3809 2008.75,3809 2058.75,3809 2108.75,3809 2158.75,3809 2208.75,3809 2408.75,3809 2458.75,3809 2508.75,3809 2558.75,3809 2608.75,3809 2658.75,3809 2708.75,3809 2758.75,3809 2808.75,3809 2858.75,3809 2908.75,3809 2958.75,3809 3158.75,3809 3208.75,3809 3258.75,3809 3308.75,3809 3358.75,3809 3408.75,3809 3458.75,3809 3508.75,3809 3558.75,3809 3608.75,3809 7458.75,3809 7508.75,3809 7558.75,3809 7608.75,3809 7658.75,3809 7708.75,3809 7758.75,3809 7808.75,3809 7858.75,3809 7908.75,3809 7958.75,3809 8008.75,3809 8308.75,3809 8408.75,3809 8458.75,3809 8508.75,3809 8558.75,3809 8608.75,3809 8658.75,3809 8708.75,3809 8758.75,3809 8808.75,3809 8858.75,3809 8908.75,3809 8958.75,3809 9008.75,3809 9058.75,3809 9108.75,3809 1183.75,3859 1533.75,3859 1583.75,3859 1933.75,3859 1983.75,3859 2033.75,3859 2083.75,3859 2133.75,3859 2183.75,3859 2233.75,3859 2433.75,3859 2483.75,3859 2533.75,3859 2583.75,3859 2633.75,3859 2683.75,3859 2733.75,3859 2783.75,3859 2833.75,3859 2883.75,3859 2933.75,3859 3133.75,3859 3183.75,3859 3233.75,3859 3283.75,3859 3333.75,3859 3383.75,3859 3433.75,3859 3483.75,3859 3533.75,3859 3583.75,3859 3983.75,3859 7533.75,3859 7583.75,3859 7633.75,3859 7683.75,3859 7733.75,3859 7783.75,3859 7833.75,3859 7883.75,3859 7933.75,3859 7983.75,3859 8083.75,3859 8383.75,3859 8433.75,3859 8483.75,3859 8533.75,3859 8583.75,3859 8633.75,3859 8683.75,3859 8733.75,3859 8783.75,3859 8833.75,3859 8883.75,3859 8933.75,3859 8983.75,3859 9033.75,3859 9083.75,3859 9133.75,3859 1108.75,3909 1158.75,3909 1308.75,3909 1358.75,3909 1408.75,3909 1658.75,3909 1708.75,3909 1758.75,3909 2408.75,3909 2458.75,3909 2508.75,3909 2558.75,3909 2608.75,3909 2658.75,3909 2708.75,3909 2758.75,3909 2808.75,3909 2858.75,3909 3058.75,3909 3108.75,3909 3158.75,3909 3208.75,3909 3258.75,3909 3308.75,3909 3358.75,3909 3408.75,3909 3458.75,3909 3508.75,3909 3558.75,3909 3608.75,3909 7758.75,3909 7808.75,3909 7858.75,3909 7908.75,3909 7958.75,3909 8008.75,3909 8108.75,3909 8408.75,3909 8458.75,3909 8508.75,3909 8558.75,3909 8608.75,3909 8658.75,3909 8708.75,3909 8758.75,3909 8808.75,3909 8858.75,3909 8908.75,3909 8958.75,3909 9008.75,3909 9058.75,3909 9108.75,3909 1083.75,3959 1133.75,3959 1183.75,3959 1333.75,3959 1383.75,3959 1533.75,3959 1683.75,3959 1733.75,3959 1783.75,3959 2433.75,3959 2483.75,3959 2533.75,3959 2583.75,3959 2633.75,3959 2683.75,3959 3033.75,3959 3083.75,3959 3133.75,3959 3333.75,3959 3383.75,3959 3433.75,3959 3483.75,3959 3533.75,3959 3583.75,3959 3983.75,3959 7833.75,3959 7883.75,3959 7933.75,3959 7983.75,3959 8083.75,3959 8183.75,3959 8833.75,3959 8883.75,3959 8933.75,3959 8983.75,3959 9033.75,3959 9083.75,3959 9133.75,3959 1058.75,4009 1108.75,4009 1158.75,4009 1408.75,4009 1658.75,4009 2508.75,4009 2558.75,4009 2608.75,4009 2658.75,4009 3058.75,4009 3108.75,4009 3358.75,4009 3408.75,4009 3458.75,4009 3508.75,4009 3558.75,4009 7808.75,4009 7858.75,4009 7908.75,4009 7958.75,4009 8008.75,4009 8108.75,4009 8208.75,4009 8958.75,4009 9008.75,4009 9058.75,4009 9108.75,4009 1033.75,4059 1083.75,4059 1133.75,4059 1183.75,4059 1383.75,4059 1533.75,4059 1683.75,4059 1833.75,4059 1883.75,4059 1983.75,4059 2033.75,4059 2083.75,4059 2133.75,4059 2183.75,4059 2233.75,4059 2283.75,4059 2333.75,4059 2533.75,4059 2583.75,4059 3033.75,4059 3083.75,4059 3333.75,4059 3383.75,4059 3433.75,4059 3483.75,4059 3533.75,4059 3983.75,4059 4033.75,4059 7833.75,4059 7883.75,4059 7933.75,4059 7983.75,4059 8083.75,4059 8183.75,4059 8283.75,4059 9133.75,4059 1008.75,4109 1058.75,4109 1108.75,4109 1158.75,4109 1658.75,4109 1858.75,4109 1908.75,4109 2058.75,4109 2108.75,4109 2158.75,4109 2208.75,4109 2258.75,4109 2308.75,4109 2358.75,4109 2558.75,4109 3008.75,4109 3058.75,4109 3108.75,4109 3158.75,4109 3208.75,4109 3258.75,4109 3308.75,4109 3358.75,4109 3408.75,4109 3458.75,4109 4008.75,4109 4058.75,4109 7808.75,4109 7858.75,4109 7908.75,4109 7958.75,4109 8008.75,4109 8108.75,4109 8208.75,4109 8308.75,4109 9058.75,4109 1033.75,4159 1083.75,4159 1133.75,4159 1533.75,4159 1683.75,4159 1833.75,4159 1883.75,4159 1933.75,4159 1983.75,4159 2083.75,4159 2133.75,4159 2183.75,4159 2233.75,4159 2283.75,4159 2333.75,4159 2933.75,4159 2983.75,4159 3033.75,4159 3083.75,4159 3133.75,4159 3183.75,4159 3233.75,4159 3283.75,4159 3333.75,4159 3383.75,4159 3433.75,4159 3983.75,4159 4033.75,4159 4083.75,4159 4133.75,4159 7833.75,4159 7883.75,4159 7933.75,4159 7983.75,4159 8083.75,4159 8183.75,4159 8283.75,4159 8383.75,4159 8433.75,4159 8483.75,4159 8533.75,4159 8583.75,4159 8633.75,4159 8683.75,4159 8733.75,4159 1008.75,4209 1058.75,4209 1108.75,4209 1158.75,4209 1508.75,4209 1658.75,4209 1858.75,4209 1908.75,4209 1958.75,4209 2258.75,4209 2308.75,4209 2358.75,4209 2808.75,4209 2858.75,4209 2908.75,4209 2958.75,4209 3008.75,4209 3058.75,4209 3108.75,4209 3158.75,4209 3208.75,4209 3258.75,4209 3308.75,4209 3358.75,4209 4008.75,4209 4058.75,4209 4108.75,4209 4158.75,4209 7808.75,4209 7858.75,4209